# EAGLE board Mk4 Final a Panel score (EAGLE 9.0.1), part 22 of 24 (continued)
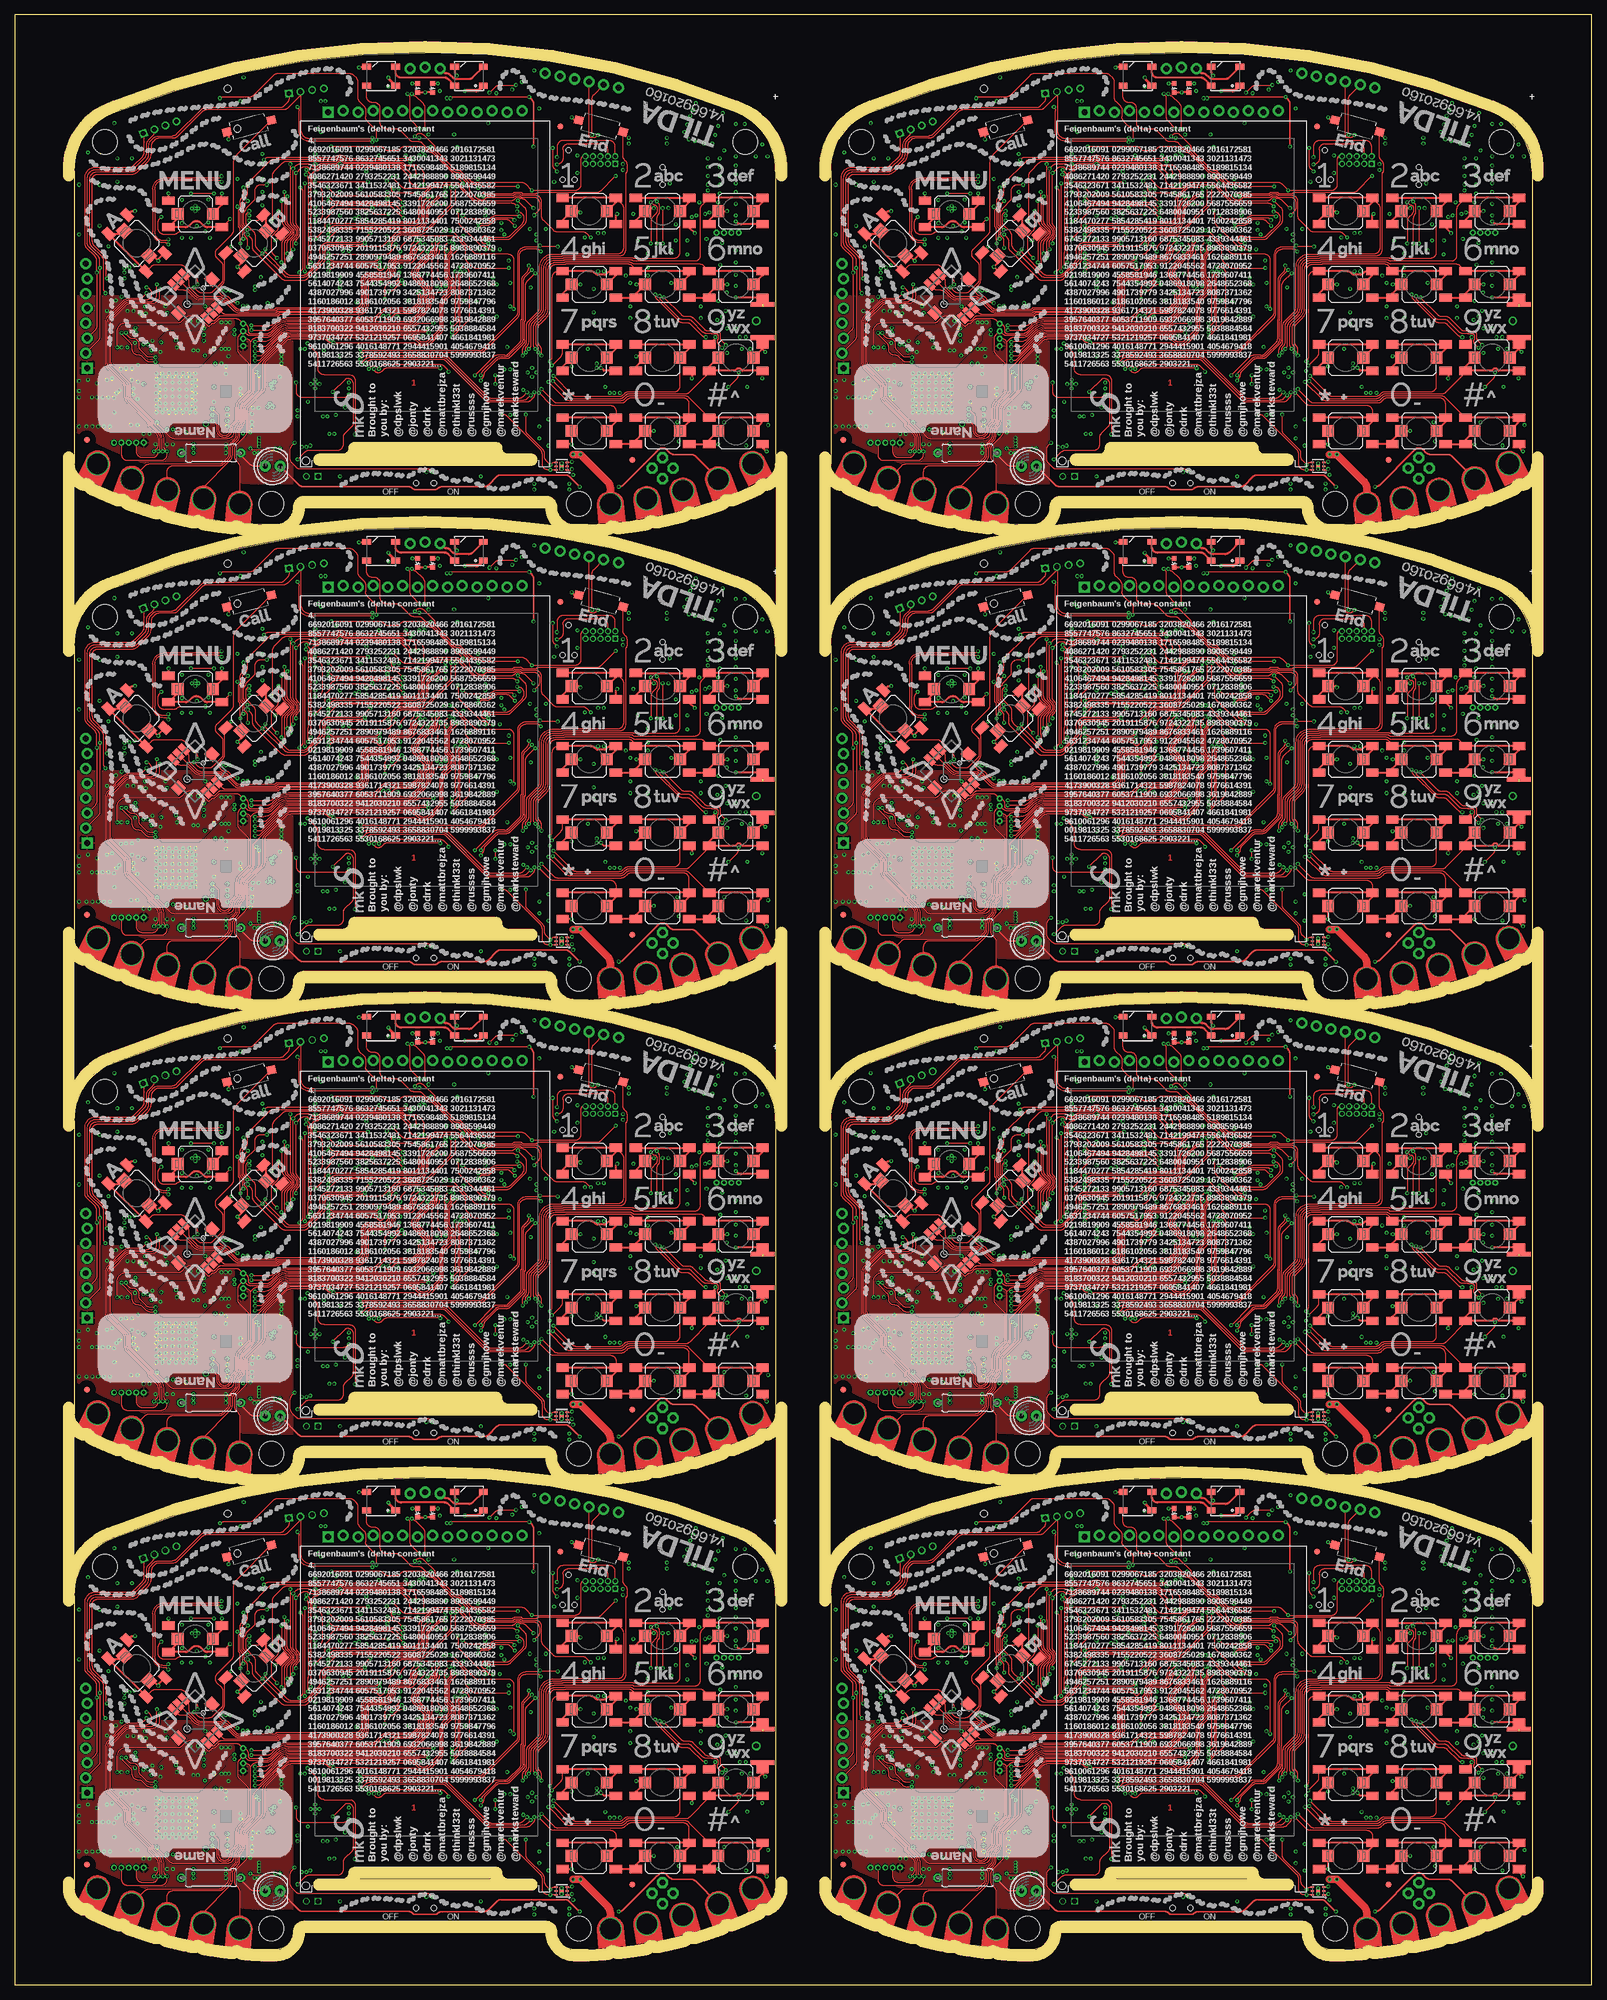
[diagram p0: board, top side]
## Tracks (layer width: path | path; a pad name or v marks a point on that pad's centre or on a via) (continued)
USB_SHIELD5
  Bottom 0.3: U16.SHIELD@5 213.1,243.91 arc45 213.39,244.61 U16.SHIELD@2 | U16.SHIELD@2 210.84,245.72 U16.SHIELD@1 208.59,245.91 208.41,246.09 U16.SHIELD@0 207.96,246.28 U16.SHIELD@3 206.12,245.57 U16.SHIELD | R403.1 215.62,246.5 C562.2 214.04,246.38 U16.SHIELD@2
USB_SHIELD6
  Bottom 0.3: U19.SHIELD@5 84.1,324.91 arc45 84.39,325.61 U19.SHIELD@2 | U19.SHIELD@2 81.84,326.72 U19.SHIELD@1 79.59,326.91 79.41,327.09 U19.SHIELD@0 78.96,327.28 U19.SHIELD@3 77.12,326.57 U19.SHIELD | R481.1 86.62,327.5 C670.2 85.04,327.38 U19.SHIELD@2
USB_SHIELD7
  Bottom 0.3: U22.SHIELD@5 213.1,324.91 arc45 213.39,325.61 U22.SHIELD@2 | U22.SHIELD@2 210.84,326.72 U22.SHIELD@1 208.59,326.91 208.41,327.09 U22.SHIELD@0 207.96,327.28 U22.SHIELD@3 206.12,326.57 U22.SHIELD | R559.1 215.62,327.5 C778.2 214.04,327.38 U22.SHIELD@2
V_UNREG  (via drill 0.3)
  Top 0.2: v58,21.45 v58,21.44 58.08,21.52 58.08,30.6 arc90 57.08,31.6 52.75,31.6 arc-90 51.75,32.6 51.75,34.74 arc45 51.46,35.44 v49.95,36.95
  Top 1.25: 101.62,11.38 101.62,12.05 arc45 101.03,13.47 v96.5,18 v95.25,18
  Top 1.5: PCB.VBATT 101.62,11.38
  3V3@2 1.25: v53.7,21.5 v54.5,21.5 54.55,21.45 v58,21.45 83,21.45 85.25,19.2 89.55,19.2 90.75,18 v95.25,18 v96.5,18
  Bottom 0.2: 51.5,27.45 IC8.15 51.5,27 | IC8.16 51,27 | R18.2 arc90 51.05,37.2 50.55,37.2 arc45 v49.95,36.95
  Bottom 0.4: TP18.TP v54.5,21.5
  pour Bottom (no thermals): 45.5,25 45.5,24 arc90 46,23.5 47,23.5 arc-90 47.5,23 47.5,21.5 51,21.5 51.35,21.15 arc45 51.71,21 54.5,21 arc90 55,21.5 arc90 54.5,22 52.12,22 arc-48 51.75,22.17 51.13,22.86 arc-42 51,23.19 51,23.29 arc-45 51.15,23.65 51.4,23.9 arc45 51.55,24.26 51.55,27.45 51.5,27.5 51,27.5 50.7,27.2 50.7,24.45 50.15,23.9 arc-45 49.79,23.75 48.21,23.75 arc-45 47.85,23.9 47.5,24.25 47.5,25
V_UNREG1  (via drill 0.3)
  Top 0.2: v187,21.45 v187,21.44 187.07,21.52 187.07,30.6 arc90 186.07,31.6 181.75,31.6 arc-90 180.75,32.6 180.75,34.74 arc45 180.46,35.44 v178.95,36.95
  Top 1.25: 230.62,11.38 230.62,12.05 arc45 230.03,13.47 v225.5,18 v224.25,18
  Top 1.5: PCB1.VBATT 230.62,11.38
  3V3@2 1.25: v182.7,21.5 v183.5,21.5 183.55,21.45 v187,21.45 212,21.45 214.25,19.2 218.55,19.2 219.75,18 v224.25,18 v225.5,18
  Bottom 0.2: 180.5,27.45 IC24.15 180.5,27 | IC24.16 180,27 | R100.2 arc90 180.05,37.2 179.55,37.2 arc45 v178.95,36.95
  Bottom 0.4: TP37.TP v183.5,21.5
  pour Bottom (no thermals): 174.5,25 174.5,24 arc90 175,23.5 176,23.5 arc-90 176.5,23 176.5,21.5 180,21.5 180.35,21.15 arc45 180.71,21 183.5,21 arc90 184,21.5 arc90 183.5,22 181.12,22 arc-48 180.75,22.17 180.13,22.86 arc-42 180,23.19 180,23.29 arc-45 180.15,23.65 180.4,23.9 arc45 180.55,24.26 180.55,27.45 180.5,27.5 180,27.5 179.7,27.2 179.7,24.45 179.15,23.9 arc-45 178.79,23.75 177.21,23.75 arc-45 176.85,23.9 176.5,24.25 176.5,25
V_UNREG2  (via drill 0.3)
  Top 0.2: v58,102.45 v58,102.44 58.08,102.52 58.08,111.6 arc90 57.08,112.6 52.75,112.6 arc-90 51.75,113.6 51.75,115.74 arc45 51.46,116.44 v49.95,117.95
  Top 1.25: 101.62,92.38 101.62,93.06 arc45 101.03,94.47 v96.5,99 v95.25,99
  Top 1.5: PCB2.VBATT 101.62,92.38
  3V3@2 1.25: v53.7,102.5 v54.5,102.5 54.55,102.45 v58,102.45 83,102.45 85.25,100.2 89.55,100.2 90.75,99 v95.25,99 v96.5,99
  Bottom 0.2: 51.5,108.45 IC42.15 51.5,108 | IC42.16 51,108 | R178.2 arc90 51.05,118.2 50.55,118.2 arc45 v49.95,117.95
  Bottom 0.4: TP56.TP v54.5,102.5
  pour Bottom (no thermals): 45.5,106 45.5,105 arc90 46,104.5 47,104.5 arc-90 47.5,104 47.5,102.5 51,102.5 51.35,102.15 arc45 51.71,102 54.5,102 arc90 55,102.5 arc90 54.5,103 52.12,103 arc-48 51.75,103.17 51.13,103.86 arc-42 51,104.19 51,104.29 arc-45 51.15,104.65 51.4,104.9 arc45 51.55,105.26 51.55,108.45 51.5,108.5 51,108.5 50.7,108.2 50.7,105.45 50.15,104.9 arc-45 49.79,104.75 48.21,104.75 arc-45 47.85,104.9 47.5,105.25 47.5,106
V_UNREG3  (via drill 0.3)
  Top 0.2: v187,102.45 v187,102.44 187.07,102.52 187.07,111.6 arc90 186.07,112.6 181.75,112.6 arc-90 180.75,113.6 180.75,115.74 arc45 180.46,116.44 v178.95,117.95
  Top 1.25: 230.62,92.38 230.62,93.06 arc45 230.03,94.47 v225.5,99 v224.25,99
  Top 1.5: PCB3.VBATT 230.62,92.38
  3V3@2 1.25: v182.7,102.5 v183.5,102.5 183.55,102.45 v187,102.45 212,102.45 214.25,100.2 218.55,100.2 219.75,99 v224.25,99 v225.5,99
  Bottom 0.2: 180.5,108.45 IC60.15 180.5,108 | IC60.16 180,108 | R256.2 arc90 180.05,118.2 179.55,118.2 arc45 v178.95,117.95
  Bottom 0.4: TP75.TP v183.5,102.5
  pour Bottom (no thermals): 174.5,106 174.5,105 arc90 175,104.5 176,104.5 arc-90 176.5,104 176.5,102.5 180,102.5 180.35,102.15 arc45 180.71,102 183.5,102 arc90 184,102.5 arc90 183.5,103 181.12,103 arc-48 180.75,103.17 180.13,103.86 arc-42 180,104.19 180,104.29 arc-45 180.15,104.65 180.4,104.9 arc45 180.55,105.26 180.55,108.45 180.5,108.5 180,108.5 179.7,108.2 179.7,105.45 179.15,104.9 arc-45 178.79,104.75 177.21,104.75 arc-45 176.85,104.9 176.5,105.25 176.5,106
V_UNREG4  (via drill 0.3)
  Top 0.2: v58,183.45 v58,183.44 58.08,183.51 58.08,192.6 arc90 57.08,193.6 52.75,193.6 arc-90 51.75,194.6 51.75,196.74 arc45 51.46,197.44 v49.95,198.95
  Top 1.25: 101.62,173.38 101.62,174.06 arc45 101.03,175.47 v96.5,180 v95.25,180
  Top 1.5: PCB4.VBATT 101.62,173.38
  3V3@2 1.25: v53.7,183.5 v54.5,183.5 54.55,183.45 v58,183.45 83,183.45 85.25,181.2 89.55,181.2 90.75,180 v95.25,180 v96.5,180
  Bottom 0.2: 51.5,189.45 IC78.15 51.5,189 | IC78.16 51,189 | R334.2 arc90 51.05,199.2 50.55,199.2 arc45 v49.95,198.95
  Bottom 0.4: TP94.TP v54.5,183.5
  pour Bottom (no thermals): 45.5,187 45.5,186 arc90 46,185.5 47,185.5 arc-90 47.5,185 47.5,183.5 51,183.5 51.35,183.15 arc45 51.71,183 54.5,183 arc90 55,183.5 arc90 54.5,184 52.12,184 arc-48 51.75,184.17 51.13,184.86 arc-42 51,185.19 51,185.29 arc-45 51.15,185.65 51.4,185.9 arc45 51.55,186.26 51.55,189.45 51.5,189.5 51,189.5 50.7,189.2 50.7,186.45 50.15,185.9 arc-45 49.79,185.75 48.21,185.75 arc-45 47.85,185.9 47.5,186.25 47.5,187
V_UNREG5  (via drill 0.3)
  Top 0.2: v187,183.45 v187,183.44 187.07,183.51 187.07,192.6 arc90 186.07,193.6 181.75,193.6 arc-90 180.75,194.6 180.75,196.74 arc45 180.46,197.44 v178.95,198.95
  Top 1.25: 230.62,173.38 230.62,174.06 arc45 230.03,175.47 v225.5,180 v224.25,180
  Top 1.5: PCB5.VBATT 230.62,173.38
  3V3@2 1.25: v182.7,183.5 v183.5,183.5 183.55,183.45 v187,183.45 212,183.45 214.25,181.2 218.55,181.2 219.75,180 v224.25,180 v225.5,180
  Bottom 0.2: 180.5,189.45 IC96.15 180.5,189 | IC96.16 180,189 | R412.2 arc90 180.05,199.2 179.55,199.2 arc45 v178.95,198.95
  Bottom 0.4: TP113.TP v183.5,183.5
  pour Bottom (no thermals): 174.5,187 174.5,186 arc90 175,185.5 176,185.5 arc-90 176.5,185 176.5,183.5 180,183.5 180.35,183.15 arc45 180.71,183 183.5,183 arc90 184,183.5 arc90 183.5,184 181.12,184 arc-48 180.75,184.17 180.13,184.86 arc-42 180,185.19 180,185.29 arc-45 180.15,185.65 180.4,185.9 arc45 180.55,186.26 180.55,189.45 180.5,189.5 180,189.5 179.7,189.2 179.7,186.45 179.15,185.9 arc-45 178.79,185.75 177.21,185.75 arc-45 176.85,185.9 176.5,186.25 176.5,187
V_UNREG6  (via drill 0.3)
  Top 0.2: v58,264.45 v58,264.44 58.08,264.51 58.08,273.6 arc90 57.08,274.6 52.75,274.6 arc-90 51.75,275.6 51.75,277.74 arc45 51.46,278.44 v49.95,279.95
  Top 1.25: 101.62,254.38 101.62,255.06 arc45 101.03,256.47 v96.5,261 v95.25,261
  Top 1.5: PCB6.VBATT 101.62,254.38
  3V3@2 1.25: v53.7,264.5 v54.5,264.5 54.55,264.45 v58,264.45 83,264.45 85.25,262.2 89.55,262.2 90.75,261 v95.25,261 v96.5,261
  Bottom 0.2: 51.5,270.45 IC114.15 51.5,270 | IC114.16 51,270 | R490.2 arc90 51.05,280.2 50.55,280.2 arc45 v49.95,279.95
  Bottom 0.4: TP132.TP v54.5,264.5
  pour Bottom (no thermals): 45.5,268 45.5,267 arc90 46,266.5 47,266.5 arc-90 47.5,266 47.5,264.5 51,264.5 51.35,264.15 arc45 51.71,264 54.5,264 arc90 55,264.5 arc90 54.5,265 52.12,265 arc-48 51.75,265.17 51.13,265.86 arc-42 51,266.19 51,266.29 arc-45 51.15,266.65 51.4,266.9 arc45 51.55,267.26 51.55,270.45 51.5,270.5 51,270.5 50.7,270.2 50.7,267.45 50.15,266.9 arc-45 49.79,266.75 48.21,266.75 arc-45 47.85,266.9 47.5,267.25 47.5,268
V_UNREG7  (via drill 0.3)
  Top 0.2: v187,264.45 v187,264.44 187.07,264.51 187.07,273.6 arc90 186.07,274.6 181.75,274.6 arc-90 180.75,275.6 180.75,277.74 arc45 180.46,278.44 v178.95,279.95
  Top 1.25: 230.62,254.38 230.62,255.06 arc45 230.03,256.47 v225.5,261 v224.25,261
  Top 1.5: PCB7.VBATT 230.62,254.38
  3V3@2 1.25: v182.7,264.5 v183.5,264.5 183.55,264.45 v187,264.45 212,264.45 214.25,262.2 218.55,262.2 219.75,261 v224.25,261 v225.5,261
  Bottom 0.2: 180.5,270.45 IC132.15 180.5,270 | IC132.16 180,270 | R568.2 arc90 180.05,280.2 179.55,280.2 arc45 v178.95,279.95
  Bottom 0.4: TP151.TP v183.5,264.5
  pour Bottom (no thermals): 174.5,268 174.5,267 arc90 175,266.5 176,266.5 arc-90 176.5,266 176.5,264.5 180,264.5 180.35,264.15 arc45 180.71,264 183.5,264 arc90 184,264.5 arc90 183.5,265 181.12,265 arc-48 180.75,265.17 180.13,265.86 arc-42 180,266.19 180,266.29 arc-45 180.15,266.65 180.4,266.9 arc45 180.55,267.26 180.55,270.45 180.5,270.5 180,270.5 179.7,270.2 179.7,267.45 179.15,266.9 arc-45 178.79,266.75 177.21,266.75 arc-45 176.85,266.9 176.5,267.25 176.5,268
VBAT  (via drill 0.3)
  Bottom 0.15: IC8.14 52,27.35 | 52.8,26 C35.1 | IC8.13 52.5,27.35
  Bottom 0.4: TP14.TP 53.64,23.36 arc-45 53.35,24.06 v53.35,24.5
  Bottom 1: J5.2 91.15,22.8 C34.1 | C34.1 89.6,22.65 v89.5,22.75 | C34.1 v91,24
  other vias: 52.6,24.5
  pour Bottom (no thermals): 52,27.55 52,24.2 52.2,24 53.5,24 53.75,24.3 53.75,24.75 53.25,25.25 53.25,26.9 52.6,27.55
  pour 3V3@2 (no thermals): 90.5,22 53.6,22 52.35,23.25 52.35,24.55 52.6,24.8 53.4,24.8 54.1,24 89,24 89.5,24.5 91,24.5 91.5,24 91.5,23
VBAT1  (via drill 0.3)
  Bottom 0.15: IC24.14 181,27.35 | 181.8,26 C147.1 | IC24.13 181.5,27.35
  Bottom 0.4: TP33.TP 182.64,23.36 arc-45 182.35,24.06 v182.35,24.5
  Bottom 1: J12.2 220.15,22.8 C146.1 | C146.1 218.6,22.65 v218.5,22.75 | C146.1 v220,24
  other vias: 181.6,24.5
  pour Bottom (no thermals): 181,27.55 181,24.2 181.2,24 182.5,24 182.75,24.3 182.75,24.75 182.25,25.25 182.25,26.9 181.6,27.55
  pour 3V3@2 (no thermals): 219.5,22 182.6,22 181.35,23.25 181.35,24.55 181.6,24.8 182.4,24.8 183.1,24 218,24 218.5,24.5 220,24.5 220.5,24 220.5,23
VBAT2  (via drill 0.3)
  Bottom 0.15: IC42.14 52,108.35 | 52.8,107 C255.1 | IC42.13 52.5,108.35
  Bottom 0.4: TP52.TP 53.64,104.36 arc-45 53.35,105.06 v53.35,105.5
  Bottom 1: J22.2 91.15,103.8 C254.1 | C254.1 89.6,103.65 v89.5,103.75 | C254.1 v91,105
  other vias: 52.6,105.5
  pour Bottom (no thermals): 52,108.55 52,105.2 52.2,105 53.5,105 53.75,105.3 53.75,105.75 53.25,106.25 53.25,107.9 52.6,108.55
  pour 3V3@2 (no thermals): 90.5,103 53.6,103 52.35,104.25 52.35,105.55 52.6,105.8 53.4,105.8 54.1,105 89,105 89.5,105.5 91,105.5 91.5,105 91.5,104
VBAT3  (via drill 0.3)
  Bottom 0.15: IC60.14 181,108.35 | 181.8,107 C363.1 | IC60.13 181.5,108.35
  Bottom 0.4: TP71.TP 182.64,104.36 arc-45 182.35,105.06 v182.35,105.5
  Bottom 1: J32.2 220.15,103.8 C362.1 | C362.1 218.6,103.65 v218.5,103.75 | C362.1 v220,105
  other vias: 181.6,105.5
  pour Bottom (no thermals): 181,108.55 181,105.2 181.2,105 182.5,105 182.75,105.3 182.75,105.75 182.25,106.25 182.25,107.9 181.6,108.55
  pour 3V3@2 (no thermals): 219.5,103 182.6,103 181.35,104.25 181.35,105.55 181.6,105.8 182.4,105.8 183.1,105 218,105 218.5,105.5 220,105.5 220.5,105 220.5,104
VBAT4  (via drill 0.3)
  Bottom 0.15: IC78.14 52,189.35 | 52.8,188 C471.1 | IC78.13 52.5,189.35
  Bottom 0.4: TP90.TP 53.64,185.36 arc-45 53.35,186.06 v53.35,186.5
  Bottom 1: J42.2 91.15,184.8 C470.1 | C470.1 89.6,184.65 v89.5,184.75 | C470.1 v91,186
  other vias: 52.6,186.5
  pour Bottom (no thermals): 52,189.55 52,186.2 52.2,186 53.5,186 53.75,186.3 53.75,186.75 53.25,187.25 53.25,188.9 52.6,189.55
  pour 3V3@2 (no thermals): 90.5,184 53.6,184 52.35,185.25 52.35,186.55 52.6,186.8 53.4,186.8 54.1,186 89,186 89.5,186.5 91,186.5 91.5,186 91.5,185
VBAT5  (via drill 0.3)
  Bottom 0.15: IC96.14 181,189.35 | 181.8,188 C579.1 | IC96.13 181.5,189.35
  Bottom 0.4: TP109.TP 182.64,185.36 arc-45 182.35,186.06 v182.35,186.5
  Bottom 1: J52.2 220.15,184.8 C578.1 | C578.1 218.6,184.65 v218.5,184.75 | C578.1 v220,186
  other vias: 181.6,186.5
  pour Bottom (no thermals): 181,189.55 181,186.2 181.2,186 182.5,186 182.75,186.3 182.75,186.75 182.25,187.25 182.25,188.9 181.6,189.55
  pour 3V3@2 (no thermals): 219.5,184 182.6,184 181.35,185.25 181.35,186.55 181.6,186.8 182.4,186.8 183.1,186 218,186 218.5,186.5 220,186.5 220.5,186 220.5,185
VBAT6  (via drill 0.3)
  Bottom 0.15: IC114.14 52,270.35 | 52.8,269 C687.1 | IC114.13 52.5,270.35
  Bottom 0.4: TP128.TP 53.64,266.36 arc-45 53.35,267.06 v53.35,267.5
  Bottom 1: J62.2 91.15,265.8 C686.1 | C686.1 89.6,265.65 v89.5,265.75 | C686.1 v91,267
  other vias: 52.6,267.5
  pour Bottom (no thermals): 52,270.55 52,267.2 52.2,267 53.5,267 53.75,267.3 53.75,267.75 53.25,268.25 53.25,269.9 52.6,270.55
  pour 3V3@2 (no thermals): 90.5,265 53.6,265 52.35,266.25 52.35,267.55 52.6,267.8 53.4,267.8 54.1,267 89,267 89.5,267.5 91,267.5 91.5,267 91.5,266
VBAT7  (via drill 0.3)
  Bottom 0.15: IC132.14 181,270.35 | 181.8,269 C795.1 | IC132.13 181.5,270.35
  Bottom 0.4: TP147.TP 182.64,266.36 arc-45 182.35,267.06 v182.35,267.5
  Bottom 1: J72.2 220.15,265.8 C794.1 | C794.1 218.6,265.65 v218.5,265.75 | C794.1 v220,267
  other vias: 181.6,267.5
  pour Bottom (no thermals): 181,270.55 181,267.2 181.2,267 182.5,267 182.75,267.3 182.75,267.75 182.25,268.25 182.25,269.9 181.6,270.55
  pour 3V3@2 (no thermals): 219.5,265 182.6,265 181.35,266.25 181.35,267.55 181.6,267.8 182.4,267.8 183.1,267 218,267 218.5,267.5 220,267.5 220.5,267 220.5,266
VBATT  (via drill 0.3)
  Top 0.15: v40.2,19 arc45 40.68,18.8 44.3,18.8 v44.5,19
  Top 0.5: LED2.1 79.34,80.29 arc-45 78.64,80 v76.75,80 | LED1.1 63.75,82.1 v63.75,82.25
  3V3@2 0.5: 69.25,82.25 74.5,82.25 v76.75,80
  3V3@2 1: JP2.2 70,83 69.25,82.25 v63.75,82.25 45.5,82.25 42.5,79.25 42.5,72 41,70.5 v41,46.65 v41,46.05 | v45.25,19 v44.5,19 44.5,24.41 45.2,25.11 45.2,26.55 42.62,29.12 42.62,30.62 43.5,31.5 v43.5,43.3 43.5,43.5 v43.15,43.85
  Bottom 0.25: IC9.1 40.96,19.35 arc45 40.26,19.06 v40.2,19
  Bottom 0.4: TP15.TP v50.4,19.5
  Bottom 0.5: C1.1 64.62,82.25 v63.75,82.25
  Bottom 1: v41,46.65 v41,46.05 41,46 v43.15,43.85 43.5,43.5 v43.5,43.3
  other vias: 49.75,19.25 49,19.25 103.25,28.5 100.75,29.5 102.25,28.5 101.5,28.5
  pour Bottom (no thermals): 49.35,20.4 50.8,20.4 50.8,19.05 arc-90 50.3,18.55 44.65,18.55 44.65,19.5 48.85,19.5 arc90 49.35,20
  pour Bottom (no thermals): 103.09,28.25 101.25,28.25 arc-90 100.25,29.25 100.25,30 arc-90 101.25,31 111,31 arc90 112,32 112,35.25 arc-90 113,36.25 113.25,36.25 113.5,36.5 113.5,39 115,39 115,36.8 arc-90 114,35.8 113.75,35.8 arc90 112.75,34.8 112.75,30 arc-90 111.75,29 104.66,29 arc45 103.96,28.71 103.79,28.54 arc-45
  pour 3V3@2 (no thermals): 102,31.5 104.5,31.5 105.5,30.5 105.5,29 105,28.5 95.5,28.5 93.5,26.5 52,26.5 50.8,25.4 50.8,19.6 50.3,19 49,19 48.75,19.25 48.75,26.5 50.25,28 92,28 94.5,30.5 101,30.5
  pour Bottom (no thermals): 42.2,19.9 42.2,19.8 42.75,19.8 43.1,19.45 43.1,19.05 arc90 43.6,18.55 44.8,18.55 44.8,19.5 44.15,19.5 43.8,19.85 43,19.85 42.95,19.9
VBATT1  (via drill 0.3)
  Top 0.15: v169.2,19 arc45 169.68,18.8 173.3,18.8 v173.5,19
  Top 0.5: LED8.1 208.34,80.29 arc-45 207.64,80 v205.75,80 | LED7.1 192.75,82.1 v192.75,82.25
  3V3@2 0.5: 198.25,82.25 203.5,82.25 v205.75,80
  3V3@2 1: JP11.2 199,83 198.25,82.25 v192.75,82.25 174.5,82.25 171.5,79.25 171.5,72 170,70.5 v170,46.65 v170,46.05 | v174.25,19 v173.5,19 173.5,24.41 174.2,25.11 174.2,26.55 171.62,29.12 171.62,30.62 172.5,31.5 v172.5,43.3 172.5,43.5 v172.15,43.85
  Bottom 0.25: IC33.1 169.96,19.35 arc45 169.26,19.06 v169.2,19
  Bottom 0.4: TP34.TP v179.4,19.5
  Bottom 0.5: C111.1 193.62,82.25 v192.75,82.25
  Bottom 1: v170,46.65 v170,46.05 170,46 v172.15,43.85 172.5,43.5 v172.5,43.3
  other vias: 178.75,19.25 178,19.25 232.25,28.5 229.75,29.5 231.25,28.5 230.5,28.5
  pour Bottom (no thermals): 178.35,20.4 179.8,20.4 179.8,19.05 arc-90 179.3,18.55 173.65,18.55 173.65,19.5 177.85,19.5 arc90 178.35,20
  pour Bottom (no thermals): 232.09,28.25 230.25,28.25 arc-90 229.25,29.25 229.25,30 arc-90 230.25,31 240,31 arc90 241,32 241,35.25 arc-90 242,36.25 242.25,36.25 242.5,36.5 242.5,39 244,39 244,36.8 arc-90 243,35.8 242.75,35.8 arc90 241.75,34.8 241.75,30 arc-90 240.75,29 233.66,29 arc45 232.96,28.71 232.79,28.54 arc-45
  pour 3V3@2 (no thermals): 231,31.5 233.5,31.5 234.5,30.5 234.5,29 234,28.5 224.5,28.5 222.5,26.5 181,26.5 179.8,25.4 179.8,19.6 179.3,19 178,19 177.75,19.25 177.75,26.5 179.25,28 221,28 223.5,30.5 230,30.5
  pour Bottom (no thermals): 171.2,19.9 171.2,19.8 171.75,19.8 172.1,19.45 172.1,19.05 arc90 172.6,18.55 173.8,18.55 173.8,19.5 173.15,19.5 172.8,19.85 172,19.85 171.95,19.9
VBATT2  (via drill 0.3)
  Top 0.15: v40.2,100 arc45 40.68,99.8 44.3,99.8 v44.5,100
  Top 0.5: LED14.1 79.34,161.29 arc-45 78.64,161 v76.75,161 | LED13.1 63.75,163.1 v63.75,163.25
  3V3@2 0.5: 69.25,163.25 74.5,163.25 v76.75,161
  3V3@2 1: JP20.2 70,164 69.25,163.25 v63.75,163.25 45.5,163.25 42.5,160.25 42.5,153 41,151.5 v41,127.65 v41,127.05 | v45.25,100 v44.5,100 44.5,105.41 45.2,106.11 45.2,107.55 42.62,110.12 42.62,111.62 43.5,112.5 v43.5,124.3 43.5,124.5 v43.15,124.85
  Bottom 0.25: IC51.1 40.96,100.35 arc45 40.26,100.06 v40.2,100
  Bottom 0.4: TP53.TP v50.4,100.5
  Bottom 0.5: C219.1 64.62,163.25 v63.75,163.25
  Bottom 1: v41,127.65 v41,127.05 41,127 v43.15,124.85 43.5,124.5 v43.5,124.3
  other vias: 49.75,100.25 49,100.25 103.25,109.5 100.75,110.5 102.25,109.5 101.5,109.5
  pour Bottom (no thermals): 49.35,101.4 50.8,101.4 50.8,100.05 arc-90 50.3,99.55 44.65,99.55 44.65,100.5 48.85,100.5 arc90 49.35,101
  pour Bottom (no thermals): 103.09,109.25 101.25,109.25 arc-90 100.25,110.25 100.25,111 arc-90 101.25,112 111,112 arc90 112,113 112,116.25 arc-90 113,117.25 113.25,117.25 113.5,117.5 113.5,120 115,120 115,117.8 arc-90 114,116.8 113.75,116.8 arc90 112.75,115.8 112.75,111 arc-90 111.75,110 104.66,110 arc45 103.96,109.71 103.79,109.54 arc-45
  pour 3V3@2 (no thermals): 102,112.5 104.5,112.5 105.5,111.5 105.5,110 105,109.5 95.5,109.5 93.5,107.5 52,107.5 50.8,106.4 50.8,100.6 50.3,100 49,100 48.75,100.25 48.75,107.5 50.25,109 92,109 94.5,111.5 101,111.5
  pour Bottom (no thermals): 42.2,100.9 42.2,100.8 42.75,100.8 43.1,100.45 43.1,100.05 arc90 43.6,99.55 44.8,99.55 44.8,100.5 44.15,100.5 43.8,100.85 43,100.85 42.95,100.9
VBATT3  (via drill 0.3)
  Top 0.15: v169.2,100 arc45 169.68,99.8 173.3,99.8 v173.5,100
  Top 0.5: LED20.1 208.34,161.29 arc-45 207.64,161 v205.75,161 | LED19.1 192.75,163.1 v192.75,163.25
  3V3@2 0.5: 198.25,163.25 203.5,163.25 v205.75,161
  3V3@2 1: JP29.2 199,164 198.25,163.25 v192.75,163.25 174.5,163.25 171.5,160.25 171.5,153 170,151.5 v170,127.65 v170,127.05 | v174.25,100 v173.5,100 173.5,105.41 174.2,106.11 174.2,107.55 171.62,110.12 171.62,111.62 172.5,112.5 v172.5,124.3 172.5,124.5 v172.15,124.85
  Bottom 0.25: IC69.1 169.96,100.35 arc45 169.26,100.06 v169.2,100
  Bottom 0.4: TP72.TP v179.4,100.5
  Bottom 0.5: C327.1 193.62,163.25 v192.75,163.25
  Bottom 1: v170,127.65 v170,127.05 170,127 v172.15,124.85 172.5,124.5 v172.5,124.3
  other vias: 178.75,100.25 178,100.25 232.25,109.5 229.75,110.5 231.25,109.5 230.5,109.5
  pour Bottom (no thermals): 178.35,101.4 179.8,101.4 179.8,100.05 arc-90 179.3,99.55 173.65,99.55 173.65,100.5 177.85,100.5 arc90 178.35,101
  pour Bottom (no thermals): 232.09,109.25 230.25,109.25 arc-90 229.25,110.25 229.25,111 arc-90 230.25,112 240,112 arc90 241,113 241,116.25 arc-90 242,117.25 242.25,117.25 242.5,117.5 242.5,120 244,120 244,117.8 arc-90 243,116.8 242.75,116.8 arc90 241.75,115.8 241.75,111 arc-90 240.75,110 233.66,110 arc45 232.96,109.71 232.79,109.54 arc-45
  pour 3V3@2 (no thermals): 231,112.5 233.5,112.5 234.5,111.5 234.5,110 234,109.5 224.5,109.5 222.5,107.5 181,107.5 179.8,106.4 179.8,100.6 179.3,100 178,100 177.75,100.25 177.75,107.5 179.25,109 221,109 223.5,111.5 230,111.5
  pour Bottom (no thermals): 171.2,100.9 171.2,100.8 171.75,100.8 172.1,100.45 172.1,100.05 arc90 172.6,99.55 173.8,99.55 173.8,100.5 173.15,100.5 172.8,100.85 172,100.85 171.95,100.9
VBATT4  (via drill 0.3)
  Top 0.15: v40.2,181 arc45 40.68,180.8 44.3,180.8 v44.5,181
  Top 0.5: LED26.1 79.34,242.29 arc-45 78.64,242 v76.75,242 | LED25.1 63.75,244.1 v63.75,244.25
  3V3@2 0.5: 69.25,244.25 74.5,244.25 v76.75,242
  3V3@2 1: JP38.2 70,245 69.25,244.25 v63.75,244.25 45.5,244.25 42.5,241.25 42.5,234 41,232.5 v41,208.65 v41,208.05 | v45.25,181 v44.5,181 44.5,186.41 45.2,187.11 45.2,188.55 42.62,191.12 42.62,192.62 43.5,193.5 v43.5,205.3 43.5,205.5 v43.15,205.85
  Bottom 0.25: IC87.1 40.96,181.35 arc45 40.26,181.06 v40.2,181
  Bottom 0.4: TP91.TP v50.4,181.5
  Bottom 0.5: C435.1 64.62,244.25 v63.75,244.25
  Bottom 1: v41,208.65 v41,208.05 41,208 v43.15,205.85 43.5,205.5 v43.5,205.3
  other vias: 49.75,181.25 49,181.25 103.25,190.5 100.75,191.5 102.25,190.5 101.5,190.5
  pour Bottom (no thermals): 49.35,182.4 50.8,182.4 50.8,181.05 arc-90 50.3,180.55 44.65,180.55 44.65,181.5 48.85,181.5 arc90 49.35,182
  pour Bottom (no thermals): 103.09,190.25 101.25,190.25 arc-90 100.25,191.25 100.25,192 arc-90 101.25,193 111,193 arc90 112,194 112,197.25 arc-90 113,198.25 113.25,198.25 113.5,198.5 113.5,201 115,201 115,198.8 arc-90 114,197.8 113.75,197.8 arc90 112.75,196.8 112.75,192 arc-90 111.75,191 104.66,191 arc45 103.96,190.71 103.79,190.54 arc-45
  pour 3V3@2 (no thermals): 102,193.5 104.5,193.5 105.5,192.5 105.5,191 105,190.5 95.5,190.5 93.5,188.5 52,188.5 50.8,187.4 50.8,181.6 50.3,181 49,181 48.75,181.25 48.75,188.5 50.25,190 92,190 94.5,192.5 101,192.5
  pour Bottom (no thermals): 42.2,181.9 42.2,181.8 42.75,181.8 43.1,181.45 43.1,181.05 arc90 43.6,180.55 44.8,180.55 44.8,181.5 44.15,181.5 43.8,181.85 43,181.85 42.95,181.9
VBATT5  (via drill 0.3)
  Top 0.15: v169.2,181 arc45 169.68,180.8 173.3,180.8 v173.5,181
  Top 0.5: LED32.1 208.34,242.29 arc-45 207.64,242 v205.75,242 | LED31.1 192.75,244.1 v192.75,244.25
  3V3@2 0.5: 198.25,244.25 203.5,244.25 v205.75,242
  3V3@2 1: JP47.2 199,245 198.25,244.25 v192.75,244.25 174.5,244.25 171.5,241.25 171.5,234 170,232.5 v170,208.65 v170,208.05 | v174.25,181 v173.5,181 173.5,186.41 174.2,187.11 174.2,188.55 171.62,191.12 171.62,192.62 172.5,193.5 v172.5,205.3 172.5,205.5 v172.15,205.85
  Bottom 0.25: IC105.1 169.96,181.35 arc45 169.26,181.06 v169.2,181
  Bottom 0.4: TP110.TP v179.4,181.5
  Bottom 0.5: C543.1 193.62,244.25 v192.75,244.25
  Bottom 1: v170,208.65 v170,208.05 170,208 v172.15,205.85 172.5,205.5 v172.5,205.3
  other vias: 178.75,181.25 178,181.25 232.25,190.5 229.75,191.5 231.25,190.5 230.5,190.5
  pour Bottom (no thermals): 178.35,182.4 179.8,182.4 179.8,181.05 arc-90 179.3,180.55 173.65,180.55 173.65,181.5 177.85,181.5 arc90 178.35,182
  pour Bottom (no thermals): 232.09,190.25 230.25,190.25 arc-90 229.25,191.25 229.25,192 arc-90 230.25,193 240,193 arc90 241,194 241,197.25 arc-90 242,198.25 242.25,198.25 242.5,198.5 242.5,201 244,201 244,198.8 arc-90 243,197.8 242.75,197.8 arc90 241.75,196.8 241.75,192 arc-90 240.75,191 233.66,191 arc45 232.96,190.71 232.79,190.54 arc-45
  pour 3V3@2 (no thermals): 231,193.5 233.5,193.5 234.5,192.5 234.5,191 234,190.5 224.5,190.5 222.5,188.5 181,188.5 179.8,187.4 179.8,181.6 179.3,181 178,181 177.75,181.25 177.75,188.5 179.25,190 221,190 223.5,192.5 230,192.5
  pour Bottom (no thermals): 171.2,181.9 171.2,181.8 171.75,181.8 172.1,181.45 172.1,181.05 arc90 172.6,180.55 173.8,180.55 173.8,181.5 173.15,181.5 172.8,181.85 172,181.85 171.95,181.9
VBATT6  (via drill 0.3)
  Top 0.15: v40.2,262 arc45 40.68,261.8 44.3,261.8 v44.5,262
  Top 0.5: LED38.1 79.34,323.29 arc-45 78.64,323 v76.75,323 | LED37.1 63.75,325.1 v63.75,325.25
  3V3@2 0.5: 69.25,325.25 74.5,325.25 v76.75,323
  3V3@2 1: JP56.2 70,326 69.25,325.25 v63.75,325.25 45.5,325.25 42.5,322.25 42.5,315 41,313.5 v41,289.65 v41,289.05 | v45.25,262 v44.5,262 44.5,267.41 45.2,268.11 45.2,269.55 42.62,272.12 42.62,273.62 43.5,274.5 v43.5,286.3 43.5,286.5 v43.15,286.85
  Bottom 0.25: IC123.1 40.96,262.35 arc45 40.26,262.06 v40.2,262
  Bottom 0.4: TP129.TP v50.4,262.5
  Bottom 0.5: C651.1 64.62,325.25 v63.75,325.25
  Bottom 1: v41,289.65 v41,289.05 41,289 v43.15,286.85 43.5,286.5 v43.5,286.3
  other vias: 49.75,262.25 49,262.25 103.25,271.5 100.75,272.5 102.25,271.5 101.5,271.5
  pour Bottom (no thermals): 49.35,263.4 50.8,263.4 50.8,262.05 arc-90 50.3,261.55 44.65,261.55 44.65,262.5 48.85,262.5 arc90 49.35,263
  pour Bottom (no thermals): 103.09,271.25 101.25,271.25 arc-90 100.25,272.25 100.25,273 arc-90 101.25,274 111,274 arc90 112,275 112,278.25 arc-90 113,279.25 113.25,279.25 113.5,279.5 113.5,282 115,282 115,279.8 arc-90 114,278.8 113.75,278.8 arc90 112.75,277.8 112.75,273 arc-90 111.75,272 104.66,272 arc45 103.96,271.71 103.79,271.54 arc-45